# Altium PCB Goldstrike1_Rev01.PcbDoc (part 2 of 7)
Units mm, origin at the board's own origin, x right, y up, seen from the top; angles counter-clockwise.
Board outline 119.3 x 255 mm, 4 copper layers (L1, L2, L3, L4), stack 1.577 mm thick; 722 components, 224 nets, 4532 pads, 1329 vias.
Unrouted connection lines stored in the file: 147.
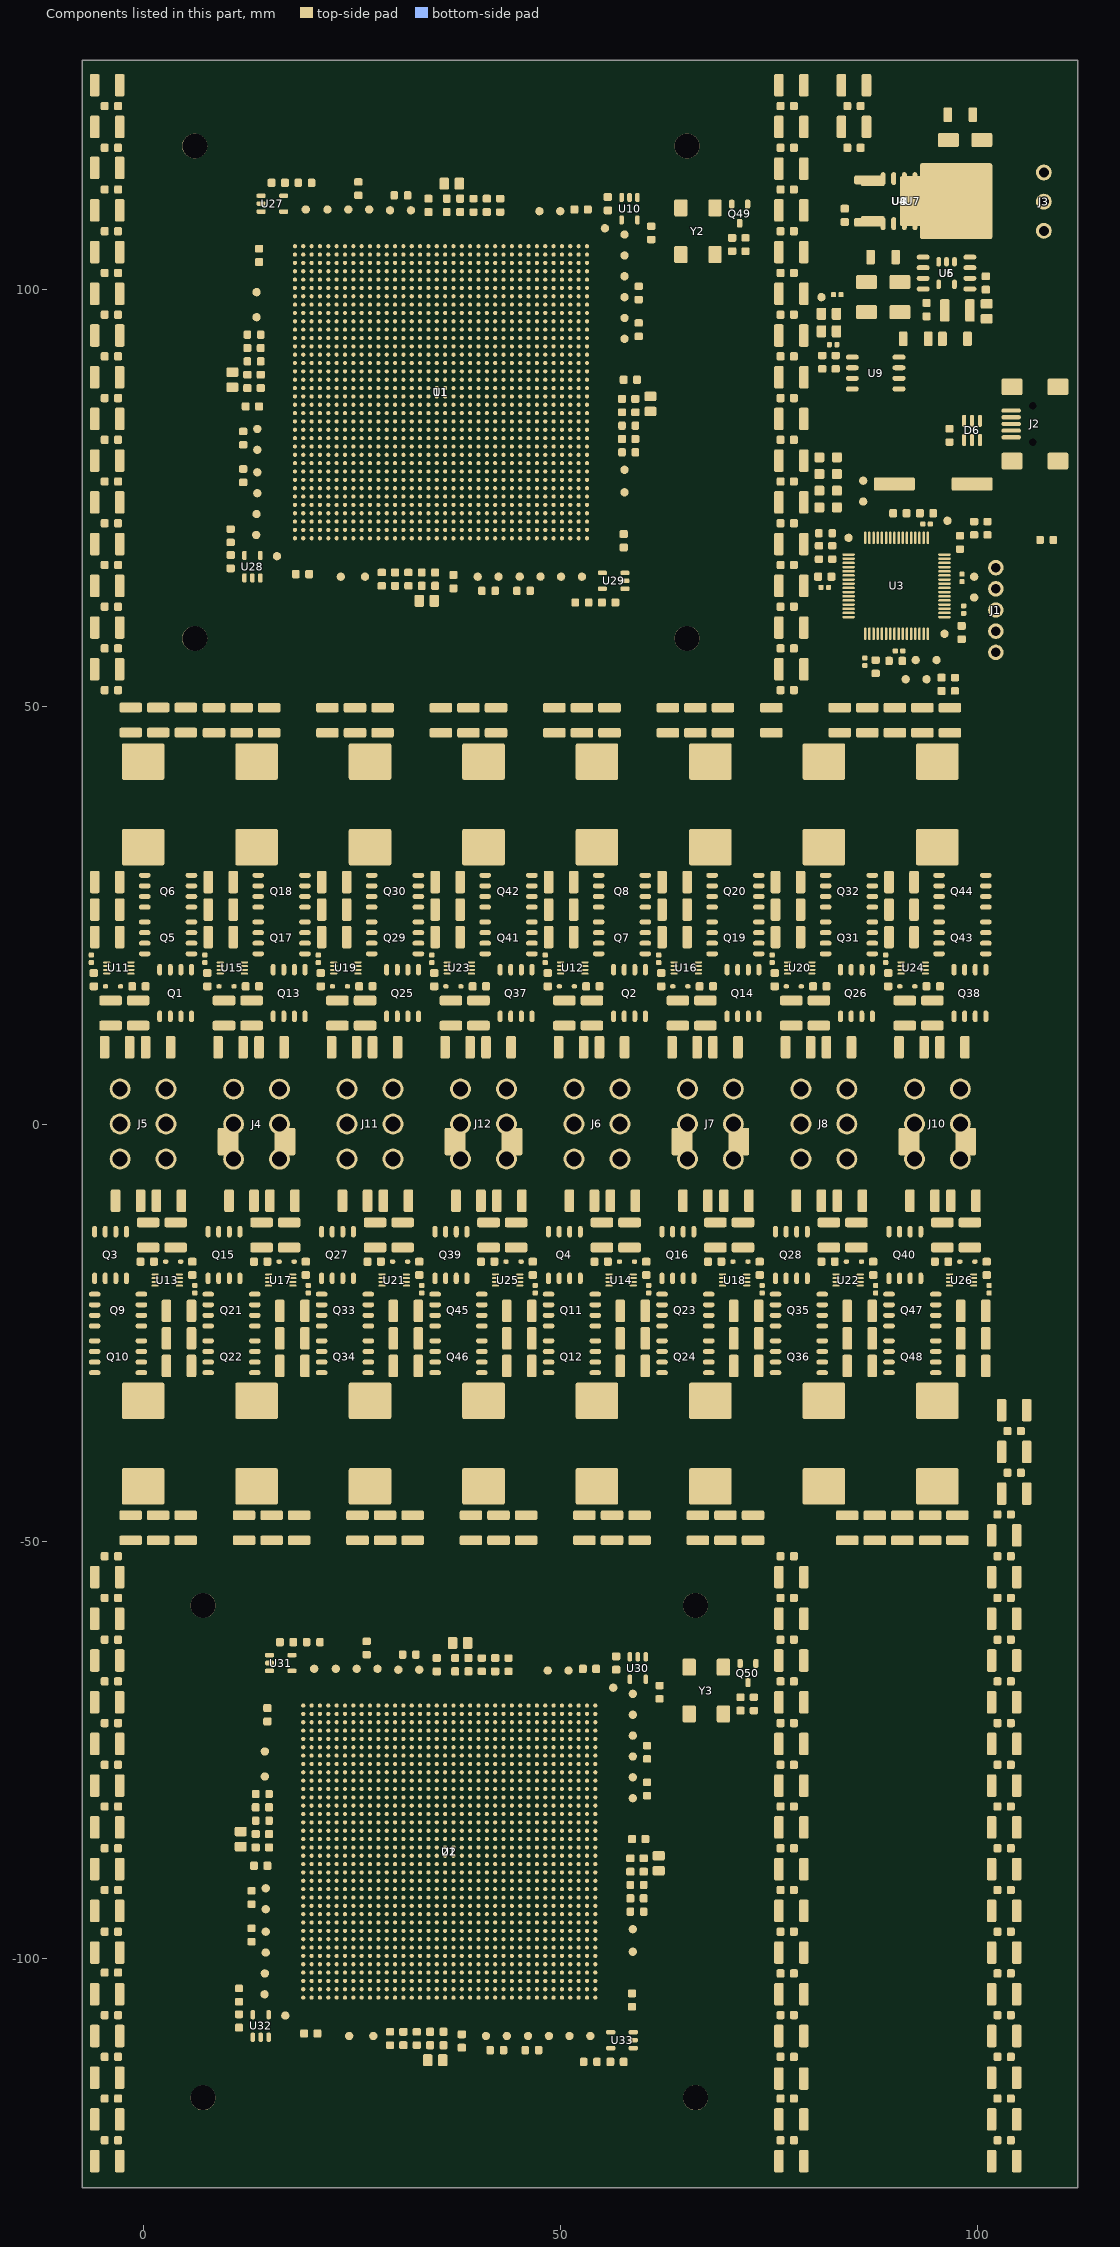
[diagram p4: the components of this part, seen from the top]

## Components (designator, comment, footprint, x,y, rotation, side; value= is the part's Value field where it differs from the comment) (continued)
C225 "SMD_0603_CAPC1608X95N" SMD_0603_CAPC1608X95N -3.8,112 r180 top
C226 "SMD_0603_CAPC1608X95N" SMD_0603_CAPC1608X95N 103.2,-116.8 r180 top
C227 "SMD_1210_CAPC3225X279N" SMD_1210_CAPC3225X279N 77.7,54.5 r0 top
C228 "SMD_1210_CAPC3225X279N" SMD_1210_CAPC3225X279N 77.7,64.5 r0 top
C229 "SMD_1210_CAPC3225X279N" SMD_1210_CAPC3225X279N 77.7,74.5 r0 top
C230 "SMD_1210_CAPC3225X279N" SMD_1210_CAPC3225X279N 77.7,119.5 r0 top
C231 "SMD_1210_CAPC3225X279N" SMD_1210_CAPC3225X279N 77.7,114.5 r0 top
C232 "SMD_1210_CAPC3225X279N" SMD_1210_CAPC3225X279N 77.7,109.5 r0 top
C233 "SMD_1210_CAPC3225X279N" SMD_1210_CAPC3225X279N 77.7,104.5 r0 top
C234 "SMD_1210_CAPC3225X279N" SMD_1210_CAPC3225X279N 77.7,99.5 r0 top
C235 "SMD_1210_CAPC3225X279N" SMD_1210_CAPC3225X279N 77.7,94.5 r0 top
C236 "SMD_1210_CAPC3225X279N" SMD_1210_CAPC3225X279N 1.808,48.415 r270 top
C237 "SMD_1210_CAPC3225X279N" SMD_1210_CAPC3225X279N 77.7,89.5 r0 top
C238 "SMD_1210_CAPC3225X279N" SMD_1210_CAPC3225X279N 77.7,84.5 r0 top
C239 "SMD_1210_CAPC3225X279N" SMD_1210_CAPC3225X279N 77.7,79.5 r0 top
C240 "SMD_1210_CAPC3225X279N" SMD_1210_CAPC3225X279N 77.7,59.5 r0 top
C241 "SMD_1210_CAPC3225X279N" SMD_1210_CAPC3225X279N 77.7,69.5 r0 top
C242 "SMD_1210_CAPC3225X279N" SMD_1210_CAPC3225X279N 103.2,-109.3 r180 top
C243 "SMD_1210_CAPC3225X279N" SMD_1210_CAPC3225X279N 85.2,119.5 r180 top
C244 "SMD_1210_CAPC3225X279N" SMD_1210_CAPC3225X279N -4.3,64.5 r180 top
C245 "SMD_1210_CAPC3225X279N" SMD_1210_CAPC3225X279N -4.3,74.5 r180 top
C246 "SMD_1210_CAPC3225X279N" SMD_1210_CAPC3225X279N 103.2,-124.3 r180 top
C247 "SMD_1210_CAPC3225X279N" SMD_1210_CAPC3225X279N -4.3,119.5 r180 top
C248 "SMD_1210_CAPC3225X279N" SMD_1210_CAPC3225X279N -4.302,114.597 r180 top
C249 "SMD_1210_CAPC3225X279N" SMD_1210_CAPC3225X279N -4.3,109.5 r180 top
C250 "SMD_1210_CAPC3225X279N" SMD_1210_CAPC3225X279N -4.3,104.5 r180 top
C251 "SMD_1210_CAPC3225X279N" SMD_1210_CAPC3225X279N -4.3,99.5 r180 top
C252 "SMD_1210_CAPC3225X279N" SMD_1210_CAPC3225X279N -4.3,94.5 r180 top
C253 "SMD_1210_CAPC3225X279N" SMD_1210_CAPC3225X279N -4.3,89.5 r180 top
C254 "SMD_1210_CAPC3225X279N" SMD_1210_CAPC3225X279N -4.3,84.5 r180 top
C255 "SMD_1210_CAPC3225X279N" SMD_1210_CAPC3225X279N -4.3,79.5 r180 top
C256 "SMD_1210_CAPC3225X279N" SMD_1210_CAPC3225X279N -4.3,59.5 r180 top
C257 "SMD_1210_CAPC3225X279N" SMD_1210_CAPC3225X279N -4.3,69.5 r180 top
C258 "SMD_1210_CAPC3225X279N" SMD_1210_CAPC3225X279N 103.2,-104.3 r180 top
C259 "SMD_1210_CAPC3225X279N" SMD_1210_CAPC3225X279N 104.4,-44.3 r180 top
C260 "SMD_1210_CAPC3225X279N" SMD_1210_CAPC3225X279N 104.4,-34.3 r180 top
C261 "SMD_1210_CAPC3225X279N" SMD_1210_CAPC3225X279N 104.4,-39.3 r180 top
C262 "SMD_1210_CAPC3225X279N" SMD_1210_CAPC3225X279N 85.2,124.5 r180 top
C263 "SMD_1210_CAPC3225X279N" SMD_1210_CAPC3225X279N -4.3,124.5 r180 top
C264 "SMD_1210_CAPC3225X279N" SMD_1210_CAPC3225X279N 103.2,-119.3 r180 top
C265 "SMD_1210_CAPC3225X279N" SMD_1210_CAPC3225X279N 77.7,124.5 r0 top
C266 "SMD_1210_CAPC3225X279N" SMD_1210_CAPC3225X279N 103.2,-114.3 r180 top
C267 "SMD_0603_CAPC1608X95N" SMD_0603_CAPC1608X95N -3.8,-101.7 r180 top
C268 "SMD_0603_CAPC1608X95N" SMD_0603_CAPC1608X95N -3.8,-96.8 r180 top
C269 "SMD_0603_CAPC1608X95N" SMD_0603_CAPC1608X95N -3.8,-81.8 r180 top
C270 "SMD_0603_CAPC1608X95N" SMD_0603_CAPC1608X95N -3.8,-116.8 r180 top
C271 "SMD_0603_CAPC1608X95N" SMD_0603_CAPC1608X95N 77.2,-101.8 r0 top
C272 "SMD_0603_CAPC1608X95N" SMD_0603_CAPC1608X95N 77.2,-96.8 r0 top
C273 "SMD_0603_CAPC1608X95N" SMD_0603_CAPC1608X95N -3.8,-51.8 r180 top
C274 "SMD_0603_CAPC1608X95N" SMD_0603_CAPC1608X95N -3.8,-56.8 r180 top
C275 "SMD_0603_CAPC1608X95N" SMD_0603_CAPC1608X95N -3.8,-61.8 r180 top
C276 "SMD_0603_CAPC1608X95N" SMD_0603_CAPC1608X95N 77.2,-81.8 r0 top
C277 "SMD_0603_CAPC1608X95N" SMD_0603_CAPC1608X95N -3.8,-66.8 r180 top
C278 "SMD_0603_CAPC1608X95N" SMD_0603_CAPC1608X95N -3.8,-71.8 r180 top
C279 "SMD_0603_CAPC1608X95N" SMD_0603_CAPC1608X95N -3.8,-76.8 r180 top
C280 "SMD_0603_CAPC1608X95N" SMD_0603_CAPC1608X95N -3.8,-86.8 r180 top
C281 "SMD_0603_CAPC1608X95N" SMD_0603_CAPC1608X95N -3.8,-91.8 r180 top
C282 "SMD_0603_CAPC1608X95N" SMD_0603_CAPC1608X95N -3.8,-106.8 r180 top
C283 "SMD_0603_CAPC1608X95N" SMD_0603_CAPC1608X95N -3.8,-111.8 r180 top
C284 "SMD_0603_CAPC1608X95N" SMD_0603_CAPC1608X95N 77.2,-121.8 r0 top
C285 "SMD_0603_CAPC1608X95N" SMD_0603_CAPC1608X95N 77.2,-116.8 r0 top
C286 "SMD_0603_CAPC1608X95N" SMD_0603_CAPC1608X95N 77.2,-51.8 r0 top
C287 "SMD_0603_CAPC1608X95N" SMD_0603_CAPC1608X95N 77.2,-56.8 r0 top
C288 "SMD_0603_CAPC1608X95N" SMD_0603_CAPC1608X95N 77.2,-61.8 r0 top
C289 "SMD_0603_CAPC1608X95N" SMD_0603_CAPC1608X95N 77.2,-66.8 r0 top
C290 "SMD_0603_CAPC1608X95N" SMD_0603_CAPC1608X95N 77.2,-71.8 r0 top
C291 "SMD_0603_CAPC1608X95N" SMD_0603_CAPC1608X95N 77.2,-76.8 r0 top
C292 "SMD_0603_CAPC1608X95N" SMD_0603_CAPC1608X95N 77.2,-86.8 r0 top
C293 "SMD_0603_CAPC1608X95N" SMD_0603_CAPC1608X95N 77.2,-91.8 r0 top
C294 "SMD_0603_CAPC1608X95N" SMD_0603_CAPC1608X95N -3.8,-121.8 r180 top
C295 "SMD_0603_CAPC1608X95N" SMD_0603_CAPC1608X95N 77.2,-106.8 r0 top
C296 "SMD_0603_CAPC1608X95N" SMD_0603_CAPC1608X95N 77.2,-111.8 r0 top
C297 "SMD_0603_CAPC1608X95N" SMD_0603_CAPC1608X95N 103.2,-101.8 r180 top
C298 "SMD_0603_CAPC1608X95N" SMD_0603_CAPC1608X95N 103.2,-91.8 r180 top
C299 "SMD_0603_CAPC1608X95N" SMD_0603_CAPC1608X95N 103.2,-66.8 r180 top
C300 "SMD_0603_CAPC1608X95N" SMD_0603_CAPC1608X95N 103.2,-86.8 r180 top
C301 "SMD_0603_CAPC1608X95N" SMD_0603_CAPC1608X95N 103.2,-56.8 r180 top
C302 "SMD_0603_CAPC1608X95N" SMD_0603_CAPC1608X95N 103.2,-81.8 r180 top
C303 "SMD_0603_CAPC1608X95N" SMD_0603_CAPC1608X95N 103.2,-71.8 r180 top
C304 "SMD_0603_CAPC1608X95N" SMD_0603_CAPC1608X95N 103.2,-76.8 r180 top
C305 "SMD_0603_CAPC1608X95N" SMD_0603_CAPC1608X95N 103.2,-61.8 r180 top
C306 "SMD_0603_CAPC1608X95N" SMD_0603_CAPC1608X95N 103.2,-96.8 r180 top
C307 "SMD_1210_CAPC3225X279N" SMD_1210_CAPC3225X279N 77.7,-54.3 r0 top
C308 "SMD_1210_CAPC3225X279N" SMD_1210_CAPC3225X279N -4.3,-54.3 r180 top
C309 "SMD_1210_CAPC3225X279N" SMD_1210_CAPC3225X279N -4.3,-64.3 r180 top
C310 "SMD_1210_CAPC3225X279N" SMD_1210_CAPC3225X279N -4.3,-74.3 r180 top
C311 "SMD_1210_CAPC3225X279N" SMD_1210_CAPC3225X279N -4.3,-119.3 r180 top
C312 "SMD_1210_CAPC3225X279N" SMD_1210_CAPC3225X279N -4.3,-114.3 r180 top
C313 "SMD_1210_CAPC3225X279N" SMD_1210_CAPC3225X279N -4.3,-109.3 r180 top
C314 "SMD_1210_CAPC3225X279N" SMD_1210_CAPC3225X279N -4.3,-104.3 r180 top
C315 "SMD_1210_CAPC3225X279N" SMD_1210_CAPC3225X279N -4.3,-99.3 r180 top
C316 "SMD_1210_CAPC3225X279N" SMD_1210_CAPC3225X279N -4.3,-94.3 r180 top
C317 "SMD_1210_CAPC3225X279N" SMD_1210_CAPC3225X279N -4.3,-89.3 r180 top
C318 "SMD_1210_CAPC3225X279N" SMD_1210_CAPC3225X279N -4.3,-84.3 r180 top
C319 "SMD_1210_CAPC3225X279N" SMD_1210_CAPC3225X279N -4.3,-79.3 r180 top
C320 "SMD_1210_CAPC3225X279N" SMD_1210_CAPC3225X279N -4.3,-59.3 r180 top
C321 "SMD_1210_CAPC3225X279N" SMD_1210_CAPC3225X279N -4.3,-69.3 r180 top
C322 "SMD_1210_CAPC3225X279N" SMD_1210_CAPC3225X279N 77.7,-64.3 r0 top
C323 "SMD_1210_CAPC3225X279N" SMD_1210_CAPC3225X279N 77.7,-74.3 r0 top
C324 "SMD_1210_CAPC3225X279N" SMD_1210_CAPC3225X279N 77.7,-119.3 r0 top
C325 "SMD_1210_CAPC3225X279N" SMD_1210_CAPC3225X279N 77.702,-114.397 r0 top
C326 "SMD_1210_CAPC3225X279N" SMD_1210_CAPC3225X279N 77.7,-109.3 r0 top
C327 "SMD_1210_CAPC3225X279N" SMD_1210_CAPC3225X279N 77.7,-104.3 r0 top
C328 "SMD_1210_CAPC3225X279N" SMD_1210_CAPC3225X279N 77.7,-99.3 r0 top
C329 "SMD_1210_CAPC3225X279N" SMD_1210_CAPC3225X279N 77.7,-94.3 r0 top
C330 "SMD_1210_CAPC3225X279N" SMD_1210_CAPC3225X279N 77.7,-89.3 r0 top
C331 "SMD_1210_CAPC3225X279N" SMD_1210_CAPC3225X279N 77.7,-84.3 r0 top
C332 "SMD_1210_CAPC3225X279N" SMD_1210_CAPC3225X279N 77.7,-79.3 r0 top
C333 "SMD_1210_CAPC3225X279N" SMD_1210_CAPC3225X279N 77.7,-59.3 r0 top
C334 "SMD_1210_CAPC3225X279N" SMD_1210_CAPC3225X279N 77.7,-69.3 r0 top
C335 "SMD_1210_CAPC3225X279N" SMD_1210_CAPC3225X279N 77.7,-124.3 r0 top
C336 "SMD_1210_CAPC3225X279N" SMD_1210_CAPC3225X279N -4.3,-124.3 r180 top
C337 "SMD_1210_CAPC3225X279N" SMD_1210_CAPC3225X279N 103.2,-94.3 r180 top
C338 "SMD_1210_CAPC3225X279N" SMD_1210_CAPC3225X279N 103.2,-89.3 r180 top
C339 "SMD_1210_CAPC3225X279N" SMD_1210_CAPC3225X279N 103.2,-64.3 r180 top
C340 "SMD_1210_CAPC3225X279N" SMD_1210_CAPC3225X279N 103.2,-59.3 r180 top
C341 "SMD_1210_CAPC3225X279N" SMD_1210_CAPC3225X279N 103.2,-74.3 r180 top
C342 "SMD_1210_CAPC3225X279N" SMD_1210_CAPC3225X279N 103.2,-69.3 r180 top
C343 "SMD_1210_CAPC3225X279N" SMD_1210_CAPC3225X279N 103.2,-79.3 r180 top
C344 "SMD_1210_CAPC3225X279N" SMD_1210_CAPC3225X279N 103.2,-84.3 r180 top
C345 "SMD_1210_CAPC3225X279N" SMD_1210_CAPC3225X279N 103.2,-54.3 r180 top
C346 "SMD_1210_CAPC3225X279N" SMD_1210_CAPC3225X279N 103.2,-99.3 r180 top
C347 "SMD_0603_CAPC1608X95N" SMD_0603_CAPC1608X95N 101,100.8 r90 top
C348 "SMD_1210_CAPC3225X270N" SMD_1210_CAPC3225X270N 51.3,9.2 r180 top
C349 "SMD_1210_CAPC3225X270N" SMD_1210_CAPC3225X270N 53.8,13.3 r90 top
C350 "SMD_1210_CAPC3225X279N" SMD_1210_CAPC3225X279N 50.1,25.7 r180 top
C351 "SMD_1210_CAPC3225X279N" SMD_1210_CAPC3225X279N 50.1,29 r180 top
C352 "SMD_1210_CAPC3225X279N" SMD_1210_CAPC3225X279N 50.1,22.4 r180 top
C353 "SMD_1210_CAPC3225X270N" SMD_1210_CAPC3225X270N 57.5,-9.2 r0 top
C354 "SMD_1210_CAPC3225X270N" SMD_1210_CAPC3225X270N 55,-13.3 r270 top
C355 "SMD_1210_CAPC3225X279N" SMD_1210_CAPC3225X279N 58.7,-25.7 r0 top
C356 "SMD_1210_CAPC3225X279N" SMD_1210_CAPC3225X279N 58.7,-29 r0 top
C357 "SMD_1210_CAPC3225X279N" SMD_1210_CAPC3225X279N 58.7,-22.4 r0 top
C358 "SMD_1210_CAPC3225X270N" SMD_1210_CAPC3225X270N 71.1,-9.2 r0 top
C359 "SMD_1210_CAPC3225X270N" SMD_1210_CAPC3225X270N 68.6,-13.3 r270 top
C360 "SMD_1210_CAPC3225X279N" SMD_1210_CAPC3225X279N 72.3,-25.7 r0 top
C361 "SMD_1210_CAPC3225X279N" SMD_1210_CAPC3225X279N 72.3,-29 r0 top
C362 "SMD_1210_CAPC3225X279N" SMD_1210_CAPC3225X279N 72.3,-22.4 r0 top
C363 "SMD_1210_CAPC3225X270N" SMD_1210_CAPC3225X270N 84.7,-9.2 r0 top
C364 "SMD_1210_CAPC3225X270N" SMD_1210_CAPC3225X270N 82.2,-13.3 r270 top
C365 "SMD_1210_CAPC3225X279N" SMD_1210_CAPC3225X279N 85.9,-25.7 r0 top
C366 "SMD_1210_CAPC3225X279N" SMD_1210_CAPC3225X279N 85.9,-29 r0 top
C367 "SMD_1210_CAPC3225X279N" SMD_1210_CAPC3225X279N 85.9,-22.4 r0 top
C368 "SMD_1210_CAPC3225X270N" SMD_1210_CAPC3225X270N 98.3,-9.2 r0 top
C369 "SMD_1210_CAPC3225X270N" SMD_1210_CAPC3225X270N 95.8,-13.3 r270 top
C370 "SMD_1210_CAPC3225X279N" SMD_1210_CAPC3225X279N 99.5,-25.7 r0 top
C371 "SMD_1210_CAPC3225X279N" SMD_1210_CAPC3225X279N 99.5,-29 r0 top
C372 "SMD_1210_CAPC3225X279N" SMD_1210_CAPC3225X279N 99.5,-22.4 r0 top
C373 "SMD_1210_CAPC3225X270N" SMD_1210_CAPC3225X270N 3.1,-9.2 r0 top
C374 "SMD_1210_CAPC3225X270N" SMD_1210_CAPC3225X270N 0.6,-13.3 r270 top
C375 "SMD_1210_CAPC3225X279N" SMD_1210_CAPC3225X279N 4.3,-25.7 r0 top
C376 "SMD_1210_CAPC3225X279N" SMD_1210_CAPC3225X279N 4.3,-29 r0 top
C377 "SMD_1210_CAPC3225X279N" SMD_1210_CAPC3225X279N 4.3,-22.4 r0 top
C378 "SMD_1210_CAPC3225X270N" SMD_1210_CAPC3225X270N 16.7,-9.2 r0 top
C379 "SMD_1210_CAPC3225X270N" SMD_1210_CAPC3225X270N 14.2,-13.3 r270 top
C380 "SMD_1210_CAPC3225X279N" SMD_1210_CAPC3225X279N 17.9,-25.7 r0 top
C381 "SMD_1210_CAPC3225X279N" SMD_1210_CAPC3225X279N 17.9,-29 r0 top
C382 "SMD_1210_CAPC3225X279N" SMD_1210_CAPC3225X279N 17.9,-22.4 r0 top
C383 "SMD_1210_CAPC3225X270N" SMD_1210_CAPC3225X270N 30.3,-9.2 r0 top
C384 "SMD_1210_CAPC3225X270N" SMD_1210_CAPC3225X270N 27.8,-13.3 r270 top
C385 "SMD_1210_CAPC3225X279N" SMD_1210_CAPC3225X279N 31.5,-25.7 r0 top
C386 "SMD_1210_CAPC3225X279N" SMD_1210_CAPC3225X279N 31.5,-29 r0 top
C387 "SMD_1210_CAPC3225X279N" SMD_1210_CAPC3225X279N 31.5,-22.4 r0 top
C388 "SMD_1210_CAPC3225X279N" SMD_1210_CAPC3225X279N 45.1,-25.7 r0 top
C389 "SMD_1210_CAPC3225X279N" SMD_1210_CAPC3225X279N 45.1,-29 r0 top
C390 "SMD_1210_CAPC3225X279N" SMD_1210_CAPC3225X279N 45.1,-22.4 r0 top
C391 "SMD_1210_CAPC3225X270N" SMD_1210_CAPC3225X270N 43.9,-9.2 r0 top
C392 "SMD_1210_CAPC3225X270N" SMD_1210_CAPC3225X270N 41.4,-13.3 r270 top
C393 "SMD_1210_CAPC3225X279N" SMD_1210_CAPC3225X279N 63.7,25.7 r180 top
C394 "SMD_1210_CAPC3225X279N" SMD_1210_CAPC3225X279N 63.7,29 r180 top
C395 "SMD_1210_CAPC3225X279N" SMD_1210_CAPC3225X279N 63.7,22.4 r180 top
C396 "SMD_1210_CAPC3225X279N" SMD_1210_CAPC3225X279N 77.3,25.7 r180 top
C397 "SMD_1210_CAPC3225X279N" SMD_1210_CAPC3225X279N 77.3,29 r180 top
C398 "SMD_1210_CAPC3225X279N" SMD_1210_CAPC3225X279N 77.3,22.4 r180 top
C399 "SMD_1210_CAPC3225X279N" SMD_1210_CAPC3225X279N 90.9,25.7 r180 top
C400 "SMD_1210_CAPC3225X279N" SMD_1210_CAPC3225X279N 90.9,29 r180 top
C401 "SMD_1210_CAPC3225X279N" SMD_1210_CAPC3225X279N 90.9,22.4 r180 top
C402 "SMD_1210_CAPC3225X270N" SMD_1210_CAPC3225X270N 64.9,9.2 r180 top
C403 "SMD_1210_CAPC3225X270N" SMD_1210_CAPC3225X270N 67.4,13.3 r90 top
C404 "SMD_1210_CAPC3225X270N" SMD_1210_CAPC3225X270N 78.5,9.2 r180 top
C405 "SMD_1210_CAPC3225X270N" SMD_1210_CAPC3225X270N 81,13.3 r90 top
C406 "SMD_1210_CAPC3225X270N" SMD_1210_CAPC3225X270N 92.1,9.2 r180 top
C407 "SMD_1210_CAPC3225X270N" SMD_1210_CAPC3225X270N 94.6,13.3 r90 top
C408 "SMD_1210_CAPC3225X279N" SMD_1210_CAPC3225X279N -4.3,25.7 r180 top
C409 "SMD_1210_CAPC3225X279N" SMD_1210_CAPC3225X279N -4.3,29 r180 top
C410 "SMD_1210_CAPC3225X279N" SMD_1210_CAPC3225X279N -4.3,22.4 r180 top
C411 "SMD_1210_CAPC3225X279N" SMD_1210_CAPC3225X279N 9.3,25.7 r180 top
C412 "SMD_1210_CAPC3225X279N" SMD_1210_CAPC3225X279N 9.3,29 r180 top
C413 "SMD_1210_CAPC3225X279N" SMD_1210_CAPC3225X279N 9.3,22.4 r180 top
C414 "SMD_1210_CAPC3225X279N" SMD_1210_CAPC3225X279N 22.9,25.7 r180 top
C415 "SMD_1210_CAPC3225X279N" SMD_1210_CAPC3225X279N 22.9,29 r180 top
C416 "SMD_1210_CAPC3225X279N" SMD_1210_CAPC3225X279N 22.9,22.4 r180 top
C417 "SMD_1210_CAPC3225X279N" SMD_1210_CAPC3225X279N 36.5,25.7 r180 top
C418 "SMD_1210_CAPC3225X279N" SMD_1210_CAPC3225X279N 36.5,29 r180 top
C419 "SMD_1210_CAPC3225X279N" SMD_1210_CAPC3225X279N 36.5,22.4 r180 top
C420 "SMD_1210_CAPC3225X270N" SMD_1210_CAPC3225X270N -3.1,9.2 r180 top
C421 "SMD_1210_CAPC3225X270N" SMD_1210_CAPC3225X270N -0.6,13.3 r90 top
C422 "SMD_1210_CAPC3225X270N" SMD_1210_CAPC3225X270N 10.5,9.2 r180 top
C423 "SMD_1210_CAPC3225X270N" SMD_1210_CAPC3225X270N 13,13.3 r90 top
C424 "SMD_1210_CAPC3225X270N" SMD_1210_CAPC3225X270N 24.1,9.2 r180 top
C425 "SMD_1210_CAPC3225X270N" SMD_1210_CAPC3225X270N 26.6,13.3 r90 top
C426 "SMD_1210_CAPC3225X270N" SMD_1210_CAPC3225X270N 37.7,9.2 r180 top
C427 "SMD_1210_CAPC3225X270N" SMD_1210_CAPC3225X270N 40.2,13.3 r90 top
C428 "SMD_0603_CAPC1608X95N" SMD_0603_CAPC1608X95N 70.6,105.4 r270 top
C429 "SMD_0603_CAPC1608X95N" SMD_0603_CAPC1608X95N 71.6,-69.5 r270 top
C430 "SMD_0603_CAPC1608X95N" SMD_0603_CAPC1608X95N 55.7,110.3 r270 top
C431 "SMD_0603_CAPC1608X95N" SMD_0603_CAPC1608X95N 16.2,112.8 r0 top
C432 "SMD_0603_CAPC1608X95N" SMD_0603_CAPC1608X95N 10.5,67.4 r90 top
C433 "SMD_0603_CAPC1608X95N" SMD_0603_CAPC1608X95N 55.8,62.5 r180 top
C434 "SMD_0603_CAPC1608X95N" SMD_0603_CAPC1608X95N 56.7,-64.6 r270 top
C435 "SMD_0603_CAPC1608X95N" SMD_0603_CAPC1608X95N 17.2,-62.1 r0 top
C436 "SMD_0603_CAPC1608X95N" SMD_0603_CAPC1608X95N 11.5,-107.5 r90 top
C437 "SMD_0603_CAPC1608X95N" SMD_0603_CAPC1608X95N 56.8,-112.4 r180 top
D1 "SMD_0805_LED2012X100N" SMD_0805_LED2012X100N 82.1,73.9 r0 top
D2 "SMD_0805_LED2012X100N" SMD_0805_LED2012X100N 82.1,75.9 r0 top
D3 "SMD_0805_LED2012X100N" SMD_0805_LED2012X100N 82.1,79.9 r0 top
D4 "SMD_0805_LED2012X100N" SMD_0805_LED2012X100N 82.1,77.9 r0 top
D5 "SMD_DO214AC_SMA" SMD_DO214AC_SMA 88.7,97.3 r180 top
D6 "SMD_SOT457_SOT95P275X110-6N" SMD_SOT457_SOT95P275X110-6N 99.35,83.126 r270 top
D7 "SMD_DO214AC_SMA" SMD_DO214AC_SMA 88.7,100.9 r0 top
D8 "SMD_DO214AC_SMA" SMD_DO214AC_SMA 98.524,117.93 r0 top
D9 "SMD_DO214AC_SMC" SMD_DO214AC_SMC 68,-2.1 r0 top
D10 "SMD_SOD523_SOD1608X65N" SMD_SOD523_SOD1608X65N -3.6,16.5 r180 top
D11 "SMD_SOD523_SOD1608X65N" SMD_SOD523_SOD1608X65N 50.8,16.5 r180 top
D12 "SMD_SOD523_SOD1608X65N" SMD_SOD523_SOD1608X65N 3.6,-16.5 r0 top
D13 "SMD_SOD523_SOD1608X65N" SMD_SOD523_SOD1608X65N 58,-16.5 r0 top
D14 "SMD_SOD523_SOD1608X65N" SMD_SOD523_SOD1608X65N 10,16.5 r180 top
D15 "SMD_SOD523_SOD1608X65N" SMD_SOD523_SOD1608X65N 64.4,16.5 r180 top
D16 "SMD_SOD523_SOD1608X65N" SMD_SOD523_SOD1608X65N 17.2,-16.5 r0 top
D17 "SMD_SOD523_SOD1608X65N" SMD_SOD523_SOD1608X65N 71.6,-16.5 r0 top
D18 "SMD_SOD523_SOD1608X65N" SMD_SOD523_SOD1608X65N 23.6,16.5 r180 top
D19 "SMD_SOD523_SOD1608X65N" SMD_SOD523_SOD1608X65N 78,16.5 r180 top
D20 "SMD_SOD523_SOD1608X65N" SMD_SOD523_SOD1608X65N 30.8,-16.5 r0 top
D21 "SMD_SOD523_SOD1608X65N" SMD_SOD523_SOD1608X65N 85.2,-16.5 r0 top
D22 "SMD_SOD523_SOD1608X65N" SMD_SOD523_SOD1608X65N 37.2,16.5 r180 top
D23 "SMD_SOD523_SOD1608X65N" SMD_SOD523_SOD1608X65N 91.6,16.5 r180 top
D24 "SMD_SOD523_SOD1608X65N" SMD_SOD523_SOD1608X65N 44.4,-16.5 r0 top
D25 "SMD_SOD523_SOD1608X65N" SMD_SOD523_SOD1608X65N 98.8,-16.5 r0 top
D26 "SMD_DO214AC_SMC" SMD_DO214AC_SMC 40.8,-2.1 r0 top
D27 "SMD_DO214AC_SMC" SMD_DO214AC_SMC 95.2,-2.1 r0 top
D28 "SMD_DO214AC_SMC" SMD_DO214AC_SMC 13.6,-2.1 r0 top
FB1 "SMD_0805_INDC2012X105N" SMD_0805_INDC2012X105N 60.8,86.3 r90 top
FB2 "SMD_0805_INDC2012X105N" SMD_0805_INDC2012X105N 10.7,89.2 r270 top
FB3 "SMD_0805_INDC2012X105N" SMD_0805_INDC2012X105N 37,112.7 r180 top
FB4 "SMD_0805_INDC2012X105N" SMD_0805_INDC2012X105N 34,62.7 r0 top
FB5 "SMD_0805_INDC2012X105N" SMD_0805_INDC2012X105N 82.2,97.1 r180 top
FB6 "SMD_0805_INDC2012X105N" SMD_0805_INDC2012X105N 61.8,-88.6 r90 top
FB7 "SMD_0805_INDC2012X105N" SMD_0805_INDC2012X105N 11.7,-85.7 r270 top
FB8 "SMD_0805_INDC2012X105N" SMD_0805_INDC2012X105N 38,-62.2 r180 top
FB9 "SMD_0805_INDC2012X105N" SMD_0805_INDC2012X105N 35,-112.2 r0 top
J1 "PTH_HDRV05W64P254_1X05" PTH_HDRV05W64P254_1X05 102.2,61.6 r270 top
J2 "SMD_CON-CVILUX-CU04-SCM15B0" SMD_CON-CVILUX-CU04-SCM15B0 106.645,83.901 r90 top
J3 "PTH_CON_HD-351-3P" PTH_CON_HD-351-3P 107.96,110.544 r90 top
J4 "PTH_CON_WR-MRC4-6P_S" PTH_CON_WR-MRC4-6P_S 13.6,-0.019 r90 top
J5 "PTH_CON_WR-MRC4-6P_S" PTH_CON_WR-MRC4-6P_S 0,0 r90 top
J6 "PTH_CON_WR-MRC4-6P_S" PTH_CON_WR-MRC4-6P_S 54.4,0 r90 top
J7 "PTH_CON_WR-MRC4-6P_S" PTH_CON_WR-MRC4-6P_S 68,0 r90 top
J8 "PTH_CON_WR-MRC4-6P_S" PTH_CON_WR-MRC4-6P_S 81.6,0 r90 top
J10 "PTH_CON_WR-MRC4-6P_S" PTH_CON_WR-MRC4-6P_S 95.2,0 r90 top
J11 "PTH_CON_WR-MRC4-6P_S" PTH_CON_WR-MRC4-6P_S 27.2,0 r90 top
J12 "PTH_CON_WR-MRC4-6P_S" PTH_CON_WR-MRC4-6P_S 40.8,0 r90 top
L1 "SMT_INDM135130X800N" SMT_INDM135130X800N 0,38.3 r90 top
L2 "SMT_INDM135130X800N" SMT_INDM135130X800N 54.4,38.3 r90 top
L3 "SMT_INDM135130X800N" SMT_INDM135130X800N 0,-38.3 r270 top
L4 "SMT_INDM135130X800N" SMT_INDM135130X800N 54.4,-38.3 r270 top
L5 "SMT_INDM135130X800N" SMT_INDM135130X800N 13.6,38.3 r90 top
L6 "SMT_INDM135130X800N" SMT_INDM135130X800N 68,38.3 r90 top
L7 "SMT_INDM135130X800N" SMT_INDM135130X800N 13.6,-38.3 r270 top
L8 "SMT_INDM135130X800N" SMT_INDM135130X800N 68,-38.3 r270 top
L9 "SMT_INDM135130X800N" SMT_INDM135130X800N 27.2,38.3 r90 top
L10 "SMT_INDM135130X800N" SMT_INDM135130X800N 81.6,38.3 r90 top
L11 "SMT_INDM135130X800N" SMT_INDM135130X800N 27.2,-38.3 r270 top
L12 "SMT_INDM135130X800N" SMT_INDM135130X800N 81.6,-38.3 r270 top
L13 "SMT_INDM135130X800N" SMT_INDM135130X800N 40.8,38.3 r90 top
L14 "SMT_INDM135130X800N" SMT_INDM135130X800N 95.2,38.3 r90 top
L15 "SMT_INDM135130X800N" SMT_INDM135130X800N 40.8,-38.3 r270 top
L16 "SMT_INDM135130X800N" SMT_INDM135130X800N 95.2,-38.3 r270 top
Q1 "SMD_SOIC127P600X110-9AN" SMD_SOIC127P600X110-9AN 3.9,15.7 r270 top
Q2 "SMD_SOIC127P600X110-9AN" SMD_SOIC127P600X110-9AN 58.3,15.7 r270 top
Q3 "SMD_SOIC127P600X110-9AN" SMD_SOIC127P600X110-9AN -3.9,-15.7 r90 top
Q4 "SMD_SOIC127P600X110-9AN" SMD_SOIC127P600X110-9AN 50.5,-15.7 r90 top
Q5 "SMD_SOIC127P600X110-9AN" SMD_SOIC127P600X110-9AN 3,22.3 r0 top
Q6 "SMD_SOIC127P600X110-9AN" SMD_SOIC127P600X110-9AN 3,27.9 r0 top
Q7 "SMD_SOIC127P600X110-9AN" SMD_SOIC127P600X110-9AN 57.4,22.3 r0 top
Q8 "SMD_SOIC127P600X110-9AN" SMD_SOIC127P600X110-9AN 57.4,27.9 r0 top
Q9 "SMD_SOIC127P600X110-9AN" SMD_SOIC127P600X110-9AN -3,-22.3 r180 top
Q10 "SMD_SOIC127P600X110-9AN" SMD_SOIC127P600X110-9AN -3,-27.9 r180 top
Q11 "SMD_SOIC127P600X110-9AN" SMD_SOIC127P600X110-9AN 51.4,-22.3 r180 top
Q12 "SMD_SOIC127P600X110-9AN" SMD_SOIC127P600X110-9AN 51.4,-27.9 r180 top
Q13 "SMD_SOIC127P600X110-9AN" SMD_SOIC127P600X110-9AN 17.5,15.7 r270 top
Q14 "SMD_SOIC127P600X110-9AN" SMD_SOIC127P600X110-9AN 71.9,15.7 r270 top
Q15 "SMD_SOIC127P600X110-9AN" SMD_SOIC127P600X110-9AN 9.7,-15.7 r90 top
Q16 "SMD_SOIC127P600X110-9AN" SMD_SOIC127P600X110-9AN 64.1,-15.7 r90 top
Q17 "SMD_SOIC127P600X110-9AN" SMD_SOIC127P600X110-9AN 16.6,22.3 r0 top
Q18 "SMD_SOIC127P600X110-9AN" SMD_SOIC127P600X110-9AN 16.6,27.9 r0 top
Q19 "SMD_SOIC127P600X110-9AN" SMD_SOIC127P600X110-9AN 71,22.3 r0 top
Q20 "SMD_SOIC127P600X110-9AN" SMD_SOIC127P600X110-9AN 71,27.9 r0 top
Q21 "SMD_SOIC127P600X110-9AN" SMD_SOIC127P600X110-9AN 10.6,-22.3 r180 top
Q22 "SMD_SOIC127P600X110-9AN" SMD_SOIC127P600X110-9AN 10.6,-27.9 r180 top
Q23 "SMD_SOIC127P600X110-9AN" SMD_SOIC127P600X110-9AN 65,-22.3 r180 top
Q24 "SMD_SOIC127P600X110-9AN" SMD_SOIC127P600X110-9AN 65,-27.9 r180 top
Q25 "SMD_SOIC127P600X110-9AN" SMD_SOIC127P600X110-9AN 31.1,15.7 r270 top
Q26 "SMD_SOIC127P600X110-9AN" SMD_SOIC127P600X110-9AN 85.5,15.7 r270 top
Q27 "SMD_SOIC127P600X110-9AN" SMD_SOIC127P600X110-9AN 23.3,-15.7 r90 top
Q28 "SMD_SOIC127P600X110-9AN" SMD_SOIC127P600X110-9AN 77.7,-15.7 r90 top
Q29 "SMD_SOIC127P600X110-9AN" SMD_SOIC127P600X110-9AN 30.2,22.3 r0 top
Q30 "SMD_SOIC127P600X110-9AN" SMD_SOIC127P600X110-9AN 30.2,27.9 r0 top
Q31 "SMD_SOIC127P600X110-9AN" SMD_SOIC127P600X110-9AN 84.6,22.3 r0 top
Q32 "SMD_SOIC127P600X110-9AN" SMD_SOIC127P600X110-9AN 84.6,27.9 r0 top
Q33 "SMD_SOIC127P600X110-9AN" SMD_SOIC127P600X110-9AN 24.2,-22.3 r180 top
Q34 "SMD_SOIC127P600X110-9AN" SMD_SOIC127P600X110-9AN 24.2,-27.9 r180 top
Q35 "SMD_SOIC127P600X110-9AN" SMD_SOIC127P600X110-9AN 78.6,-22.3 r180 top
Q36 "SMD_SOIC127P600X110-9AN" SMD_SOIC127P600X110-9AN 78.6,-27.9 r180 top
Q37 "SMD_SOIC127P600X110-9AN" SMD_SOIC127P600X110-9AN 44.7,15.7 r270 top
Q38 "SMD_SOIC127P600X110-9AN" SMD_SOIC127P600X110-9AN 99.1,15.7 r270 top
Q39 "SMD_SOIC127P600X110-9AN" SMD_SOIC127P600X110-9AN 36.9,-15.7 r90 top
Q40 "SMD_SOIC127P600X110-9AN" SMD_SOIC127P600X110-9AN 91.3,-15.7 r90 top
Q41 "SMD_SOIC127P600X110-9AN" SMD_SOIC127P600X110-9AN 43.8,22.3 r0 top
Q42 "SMD_SOIC127P600X110-9AN" SMD_SOIC127P600X110-9AN 43.8,27.9 r0 top
Q43 "SMD_SOIC127P600X110-9AN" SMD_SOIC127P600X110-9AN 98.2,22.3 r0 top
Q44 "SMD_SOIC127P600X110-9AN" SMD_SOIC127P600X110-9AN 98.2,27.9 r0 top
Q45 "SMD_SOIC127P600X110-9AN" SMD_SOIC127P600X110-9AN 37.8,-22.3 r180 top
Q46 "SMD_SOIC127P600X110-9AN" SMD_SOIC127P600X110-9AN 37.8,-27.9 r180 top
Q47 "SMD_SOIC127P600X110-9AN" SMD_SOIC127P600X110-9AN 92.2,-22.3 r180 top
Q48 "SMD_SOIC127P600X110-9AN" SMD_SOIC127P600X110-9AN 92.2,-27.9 r180 top
Q49 "SMD_SOT23_SOT95P240X112-3N" SMD_SOT23_SOT95P240X112-3N 71.5,109.1 r270 top
Q50 "SMD_SOT23_SOT95P240X112-3N" SMD_SOT23_SOT95P240X112-3N 72.5,-65.8 r270 top
R1 "SMD_0603_RESC1608X55N" SMD_0603_RESC1608X55N 43.8,-64.8 r90 top
R2 "SMD_0603_RESC1608X55N" SMD_0603_RESC1608X55N 60.4,-75.3 r270 top
R3 "SMD_0603_RESC1608X55N" SMD_0603_RESC1608X55N 59.4,99.6 r270 top
R4 "SMD_0603_RESC1608X55N" SMD_0603_RESC1608X55N 101.2,71.4 r270 top
R5 "SMD_0603_RESC1608X55N" SMD_0603_RESC1608X55N 99.6,71.4 r270 top
R6 "SMD_0603_RESC1608X55N" SMD_0603_RESC1608X55N 97.3,52.7 r270 top
R7 "SMD_0603_RESC1608X55N" SMD_0603_RESC1608X55N 81,68.5 r90 top
R8 "SMD_0603_RESC1608X55N" SMD_0603_RESC1608X55N 81.8,70.8 r180 top
R9 "SMD_0603_RESC1608X55N" SMD_0603_RESC1608X55N 87.8,54.8 r270 top
R10 "SMD_0603_RESC1608X55N" SMD_0603_RESC1608X55N 97.9,69.7 r270 top
R11 "SMD_0603_RESC1608X55N" SMD_0603_RESC1608X55N 96.65,82.526 r270 top
R12 "SMD_1206_RESC3216X65N" SMD_1206_RESC3216X65N 88.7,103.9 r0 top
R13 "SMD_1206_RESC3216X65N" SMD_1206_RESC3216X65N 97.943,120.966 r0 top
R14 "SMD_1206_RESC3216X65N" SMD_1206_RESC3216X65N 97.3,94.1 r0 top
R15 "SMD_1206_RESC3216X65N" SMD_1206_RESC3216X65N 92.6,94.1 r180 top
R16 "SMD_0603_RESC1608X55N" SMD_0603_RESC1608X55N 83,91.3 r270 top
R17 "SMD_0603_RESC1608X55N" SMD_0603_RESC1608X55N 81.4,91.3 r90 top
R18 "SMD_0603_RESC1608X55N" SMD_0603_RESC1608X55N 82.6,68.5 r90 top
R19 "SMD_0603_RESC1608X55N" SMD_0603_RESC1608X55N 25.8,112.1 r90 top
R20 "SMD_0603_RESC1608X55N" SMD_0603_RESC1608X55N 42.8,110.1 r90 top
R21 "SMD_0603_RESC1608X55N" SMD_0603_RESC1608X55N 90.2,55.5 r180 top
R22 "SMD_0603_RESC1608X55N" SMD_0603_RESC1608X55N 39.6,110.1 r90 top
R23 "SMD_0603_RESC1608X55N" SMD_0603_RESC1608X55N 40.6,-64.8 r90 top
R24 "SMD_0603_RESC1608X55N" SMD_0603_RESC1608X55N 13.3,91.4 r180 top
R25 "SMD_0603_RESC1608X55N" SMD_0603_RESC1608X55N 12,77.7 r90 top
R26 "SMD_0603_RESC1608X55N" SMD_0603_RESC1608X55N 108.3,70 r180 top
R27 "SMD_0603_RESC1608X55N" SMD_0603_RESC1608X55N 59.4,95.2 r90 top
R28 "SMD_0603_RESC1608X55N" SMD_0603_RESC1608X55N 30.9,111.3 r180 top
R29 "SMD_0603_RESC1608X55N" SMD_0603_RESC1608X55N 12,82.2 r270 top
R30 "SMD_0603_RESC1608X55N" SMD_0603_RESC1608X55N 41.4,63.9 r0 top
R31 "SMD_0603_RESC1608X55N" SMD_0603_RESC1608X55N 60.4,-79.7 r90 top
R32 "SMD_0603_RESC1608X55N" SMD_0603_RESC1608X55N 31.9,-63.6 r180 top
R33 "SMD_0603_RESC1608X55N" SMD_0603_RESC1608X55N 13,-92.7 r270 top
R34 "SMD_0603_RESC1608X55N" SMD_0603_RESC1608X55N 42.4,-111 r0 top
R35 "SMD_0603_RESC1608X55N" SMD_0603_RESC1608X55N 31.8,65.3 r270 top
R36 "SMD_0603_RESC1608X55N" SMD_0603_RESC1608X55N 45.6,63.9 r180 top
R37 "SMD_0603_RESC1608X55N" SMD_0603_RESC1608X55N 58.2,83.7 r0 top
R38 "SMD_0603_RESC1608X55N" SMD_0603_RESC1608X55N 28.6,65.3 r270 top
R39 "SMD_0603_RESC1608X55N" SMD_0603_RESC1608X55N 13.3,94.6 r180 top
R40 "SMD_0603_RESC1608X55N" SMD_0603_RESC1608X55N 58.2,80.5 r0 top
R41 "SMD_0603_RESC1608X55N" SMD_0603_RESC1608X55N 26.8,-62.8 r90 top
R42 "SMD_0603_RESC1608X55N" SMD_0603_RESC1608X55N 14.3,-83.5 r180 top
R43 "SMD_0603_RESC1608X55N" SMD_0603_RESC1608X55N 13,-97.2 r90 top
R44 "SMD_0603_RESC1608X55N" SMD_0603_RESC1608X55N 32.8,-109.6 r270 top
R45 "SMD_0603_RESC1608X55N" SMD_0603_RESC1608X55N 46.6,-111 r180 top
R46 "SMD_0603_RESC1608X55N" SMD_0603_RESC1608X55N 59.2,-91.2 r0 top
R47 "SMD_0603_RESC1608X55N" SMD_0603_RESC1608X55N 29.6,-109.6 r270 top
R48 "SMD_0603_RESC1608X55N" SMD_0603_RESC1608X55N 14.3,-80.3 r180 top
R49 "SMD_0603_RESC1608X55N" SMD_0603_RESC1608X55N 59.2,-94.4 r0 top
R50 "SMD_0603_RESC1608X55N" SMD_0603_RESC1608X55N 72.2,105.4 r90 top
R51 "SMD_0603_RESC1608X55N" SMD_0603_RESC1608X55N 60.9,106.8 r270 top
R52 "SMD_0603_RESC1608X55N" SMD_0603_RESC1608X55N 19.4,112.8 r0 top
R53 "SMD_0603_RESC1608X55N" SMD_0603_RESC1608X55N 10.5,70.5 r90 top
R54 "SMD_0603_RESC1608X55N" SMD_0603_RESC1608X55N 52.6,62.5 r180 top
R55 "SMD_0603_RESC1608X55N" SMD_0603_RESC1608X55N 61.9,-68.1 r270 top
R56 "SMD_0603_RESC1608X55N" SMD_0603_RESC1608X55N 73.2,-69.5 r90 top
R57 "SMD_0603_RESC1608X55N" SMD_0603_RESC1608X55N 20.4,-62.1 r0 top
R58 "SMD_0603_RESC1608X55N" SMD_0603_RESC1608X55N 11.5,-104.4 r90 top
R59 "SMD_0603_RESC1608X55N" SMD_0603_RESC1608X55N 53.6,-112.4 r180 top
TP2 "SMD_TP_100-254" SMD_TP_100-254 81.3,99.1 r180 top
TP3 "SMD_TP_100-254" SMD_TP_100-254 91.4,53.3 r0 top
TP5 "SMD_TP_100-254" SMD_TP_100-254 92.6,55.6 r0 top
TP6 "SMD_TP_100-254" SMD_TP_100-254 93.9,53.3 r0 top
TP7 "SMD_TP_100-254" SMD_TP_100-254 95.1,55.6 r0 top
TP10 "SMD_TP_100-254" SMD_TP_100-254 99.6,63.1 r0 top
TP11 "SMD_TP_100-254" SMD_TP_100-254 99.6,65.6 r0 top
TP12 "SMD_TP_100-254" SMD_TP_100-254 86.3,74.6 r180 top
TP13 "SMD_TP_100-254" SMD_TP_100-254 86.3,77.1 r180 top
TP21 "SMD_TP_100-254" SMD_TP_100-254 96.4,72.3 r180 top
TP22 "SMD_TP_100-254" SMD_TP_100-254 50,109.4 r180 top
TP23 "SMD_TP_100-254" SMD_TP_100-254 13.6,99.7 r180 top
TP24 "SMD_TP_100-254" SMD_TP_100-254 23.7,65.6 r180 top
TP25 "SMD_TP_100-254" SMD_TP_100-254 57.7,75.7 r180 top
TP26 "SMD_TP_100-254" SMD_TP_100-254 47.5,109.4 r180 top
TP27 "SMD_TP_100-254" SMD_TP_100-254 13.6,96.7 r180 top
TP28 "SMD_TP_100-254" SMD_TP_100-254 26.6,65.6 r180 top
TP29 "SMD_TP_100-254" SMD_TP_100-254 57.7,78.4 r180 top
TP30 "SMD_TP_100-254" SMD_TP_100-254 51,-65.5 r180 top
TP31 "SMD_TP_100-254" SMD_TP_100-254 14.6,-75.2 r180 top
TP32 "SMD_TP_100-254" SMD_TP_100-254 24.7,-109.3 r180 top
TP33 "SMD_TP_100-254" SMD_TP_100-254 58.7,-99.2 r180 top
TP34 "SMD_TP_100-254" SMD_TP_100-254 48.5,-65.5 r180 top
TP35 "SMD_TP_100-254" SMD_TP_100-254 14.6,-78.2 r180 top
TP36 "SMD_TP_100-254" SMD_TP_100-254 27.6,-109.3 r180 top
TP37 "SMD_TP_100-254" SMD_TP_100-254 58.7,-96.5 r180 top
TP38 "SMD_TP_100-254" SMD_TP_100-254 57.7,104.1 r180 top
TP39 "SMD_TP_100-254" SMD_TP_100-254 22.1,109.6 r180 top
TP40 "SMD_TP_100-254" SMD_TP_100-254 13.6,73.1 r180 top
TP41 "SMD_TP_100-254" SMD_TP_100-254 50.1,65.6 r180 top
TP42 "SMD_TP_100-254" SMD_TP_100-254 57.7,99.1 r180 top
TP43 "SMD_TP_100-254" SMD_TP_100-254 27.1,109.6 r180 top
TP44 "SMD_TP_100-254" SMD_TP_100-254 13.7,78.1 r180 top
TP45 "SMD_TP_100-254" SMD_TP_100-254 45.141,65.604 r180 top
TP46 "SMD_TP_100-254" SMD_TP_100-254 57.7,101.6 r180 top
TP47 "SMD_TP_100-254" SMD_TP_100-254 24.6,109.6 r180 top
TP48 "SMD_TP_100-254" SMD_TP_100-254 13.7,75.6 r180 top
TP49 "SMD_TP_100-254" SMD_TP_100-254 47.641,65.604 r180 top
TP50 "SMD_TP_100-254" SMD_TP_100-254 57.7,94.1 r180 top
TP51 "SMD_TP_100-254" SMD_TP_100-254 32.1,109.5 r180 top
TP52 "SMD_TP_100-254" SMD_TP_100-254 13.7,83.3 r180 top
TP53 "SMD_TP_100-254" SMD_TP_100-254 40.1,65.6 r180 top
TP54 "SMD_TP_100-254" SMD_TP_100-254 58.7,-70.8 r180 top
TP55 "SMD_TP_100-254" SMD_TP_100-254 23.1,-65.3 r180 top
TP56 "SMD_TP_100-254" SMD_TP_100-254 14.6,-101.8 r180 top
TP57 "SMD_TP_100-254" SMD_TP_100-254 51.1,-109.3 r180 top
TP58 "SMD_TP_100-254" SMD_TP_100-254 58.7,-75.8 r180 top
TP59 "SMD_TP_100-254" SMD_TP_100-254 28.1,-65.3 r180 top
TP60 "SMD_TP_100-254" SMD_TP_100-254 14.7,-96.8 r180 top
TP61 "SMD_TP_100-254" SMD_TP_100-254 46.141,-109.296 r180 top
TP62 "SMD_TP_100-254" SMD_TP_100-254 58.7,-73.3 r180 top
TP63 "SMD_TP_100-254" SMD_TP_100-254 25.6,-65.3 r180 top
TP64 "SMD_TP_100-254" SMD_TP_100-254 14.7,-99.3 r180 top
TP65 "SMD_TP_100-254" SMD_TP_100-254 48.641,-109.296 r180 top
TP66 "SMD_TP_100-254" SMD_TP_100-254 58.7,-80.8 r180 top
TP67 "SMD_TP_100-254" SMD_TP_100-254 33.1,-65.4 r180 top
TP68 "SMD_TP_100-254" SMD_TP_100-254 14.7,-91.6 r180 top
TP69 "SMD_TP_100-254" SMD_TP_100-254 41.1,-109.3 r180 top
TP70 "SMD_TP_100-254" SMD_TP_100-254 57.7,106.6 r180 top
TP71 "SMD_TP_100-254" SMD_TP_100-254 52.6,65.6 r180 top
TP72 "SMD_TP_100-254" SMD_TP_100-254 19.5,109.6 r180 top
TP73 "SMD_TP_100-254" SMD_TP_100-254 13.559,70.596 r180 top
TP74 "SMD_TP_100-254" SMD_TP_100-254 58.7,-68.3 r180 top
TP75 "SMD_TP_100-254" SMD_TP_100-254 53.6,-109.3 r180 top
TP76 "SMD_TP_100-254" SMD_TP_100-254 20.5,-65.3 r180 top
TP77 "SMD_TP_100-254" SMD_TP_100-254 14.559,-104.304 r180 top
TP78 "SMD_TP_100-254" SMD_TP_100-254 57.7,96.6 r180 top
TP79 "SMD_TP_100-254" SMD_TP_100-254 29.6,109.5 r180 top
TP80 "SMD_TP_100-254" SMD_TP_100-254 13.7,80.8 r180 top
TP81 "SMD_TP_100-254" SMD_TP_100-254 42.6,65.6 r180 top
TP82 "SMD_TP_100-254" SMD_TP_100-254 58.7,-78.3 r180 top
TP83 "SMD_TP_100-254" SMD_TP_100-254 30.6,-65.4 r180 top
TP84 "SMD_TP_100-254" SMD_TP_100-254 14.7,-94.1 r180 top
TP85 "SMD_TP_100-254" SMD_TP_100-254 43.6,-109.3 r180 top
U1 "SMD_BGA1296C100P36X36" SMD_BGA1296C100P36X36 35.7,87.7 r180 top
U2 "SMD_BGA1296C100P36X36" SMD_BGA1296C100P36X36 36.7,-87.2 r180 top
U3 "SMD_QFP50P1200X1200X120-64N" SMD_QFP50P1200X1200X120-64N 90.3,64.5 r90 top
U4 "SMD_SOIC127P600X175-8N" SMD_SOIC127P600X175-8N 90.6,110.6 r90 top
U5 "SMD_SOT95P280X135-5N" SMD_SOT95P280X135-5N 96.295,101.987 r270 top
U6 "SMD_SOIC127P620X160-8N" SMD_SOIC127P620X160-8N 96.295,101.987 r180 top
U7 "SMD_TO254P1542X460-3_4N" SMD_TO254P1542X460-3_4N 93.5,110.6 r0 top
U8 "SMD_TO229P991X239-4N_DPAK" SMD_TO229P991X239-4N_DPAK 91.6,110.6 r0 top
U9 "SMD_SOIC127P620X160-8N" SMD_SOIC127P620X160-8N 87.8,90 r0 top
U10 "SMD_SOT95P280X110-5N" SMD_SOT95P280X110-5N 58.3,109.7 r270 top
U11 "SMD_SON45P300X200X80-9N" SMD_SON45P300X200X80-9N -2.9,18.7 r180 top
U12 "SMD_SON45P300X200X80-9N" SMD_SON45P300X200X80-9N 51.5,18.7 r180 top
U13 "SMD_SON45P300X200X80-9N" SMD_SON45P300X200X80-9N 2.9,-18.7 r0 top
U14 "SMD_SON45P300X200X80-9N" SMD_SON45P300X200X80-9N 57.3,-18.7 r0 top
U15 "SMD_SON45P300X200X80-9N" SMD_SON45P300X200X80-9N 10.7,18.7 r180 top
U16 "SMD_SON45P300X200X80-9N" SMD_SON45P300X200X80-9N 65.1,18.7 r180 top
U17 "SMD_SON45P300X200X80-9N" SMD_SON45P300X200X80-9N 16.5,-18.7 r0 top
U18 "SMD_SON45P300X200X80-9N" SMD_SON45P300X200X80-9N 70.9,-18.7 r0 top
U19 "SMD_SON45P300X200X80-9N" SMD_SON45P300X200X80-9N 24.3,18.7 r180 top
U20 "SMD_SON45P300X200X80-9N" SMD_SON45P300X200X80-9N 78.7,18.7 r180 top
U21 "SMD_SON45P300X200X80-9N" SMD_SON45P300X200X80-9N 30.1,-18.7 r0 top
U22 "SMD_SON45P300X200X80-9N" SMD_SON45P300X200X80-9N 84.5,-18.7 r0 top
U23 "SMD_SON45P300X200X80-9N" SMD_SON45P300X200X80-9N 37.9,18.7 r180 top
U24 "SMD_SON45P300X200X80-9N" SMD_SON45P300X200X80-9N 92.3,18.7 r180 top
U25 "SMD_SON45P300X200X80-9N" SMD_SON45P300X200X80-9N 43.7,-18.7 r0 top
U26 "SMD_SON45P300X200X80-9N" SMD_SON45P300X200X80-9N 98.1,-18.7 r0 top
U27 "SMD_SOT95P280X110-5N" SMD_SOT95P280X110-5N 15.5,110.3 r0 top
U28 "SMD_SOT95P280X110-5N" SMD_SOT95P280X110-5N 13.1,66.8 r90 top
U29 "SMD_SOT95P280X110-5N" SMD_SOT95P280X110-5N 56.4,65.1 r180 top
U30 "SMD_SOT95P280X110-5N" SMD_SOT95P280X110-5N 59.3,-65.2 r270 top
U31 "SMD_SOT95P280X110-5N" SMD_SOT95P280X110-5N 16.5,-64.6 r0 top
U32 "SMD_SOT95P280X110-5N" SMD_SOT95P280X110-5N 14.1,-108.1 r90 top
U33 "SMD_SOT95P280X110-5N" SMD_SOT95P280X110-5N 57.4,-109.8 r180 top
Y1 "SMD_HC49_XTAL1140X480X420N" SMD_HC49_XTAL1140X480X420N 94.7,76.7 r180 top
Y2 "SMD_OSCCC500X700X100-4N" SMD_OSCCC500X700X100-4N 66.5,107 r180 top
Y3 "SMD_OSCCC500X700X100-4N" SMD_OSCCC500X700X100-4N 67.5,-67.9 r180 top

## Footprints (in the part's own frame and the unit in brackets; to place one, negate y for a bottom-side part, rotate by r counter-clockwise, add the part's x,y. Pads: shape width x height; smd on the part's side, far side on the other; paste and mask are expansions set on the pad)
AH2-120 [mm]
  round 3 / inner round 1.8 / far side round 1.8 hole 3 mask+0.075: 1(29.5,29.5) 2(-29.5,-29.5) 3(29.5,-29.5) 4(-29.5,29.5)
PTH_CON_HD-351-3P [mm]
  round 1.9 hole 1.2 mask+0.075: 1(-3.5,0) 2(0,0) 3(3.5,0)
  silkscreen extent -5.3,0.95 5.3,3.8, body extent -5.25,-3.75 5.25,3.75, height 8.7
PTH_CON_WR-MRC4-6P_S [mm]
  round 2.5 hole 1.8 mask+0.075: 1(-4.2,2.75) 2(0,2.75) 3(4.2,2.75) 4(-4.2,-2.75) 5(0,-2.75) 6(4.2,-2.75)
  silkscreen extent -7.1,-1.5 7.1,4.85, body extent -7.25,-6.3 6.95,4.8, height 12.8
PTH_HDRV05W64P254_1X05 [mm]
  round 1.85 hole 1.15 mask+0.075: 1(-5.08,0) 2(-2.54,0) 3(0,0) 4(2.54,0) 5(5.08,0)
  silkscreen extent -6.35,-1.25 6.35,1.25, body extent -6.35,-1.25 6.35,1.25, height 8
SMD_0402_CAPC1005X55N [mm]
  rrect48% 0.62x0.62 smd mask+0.075: 1(-0.45,0) 2(0.45,0)
  body extent -0.5,-0.25 0.5,0.25, height 0.55
SMD_0603_CAPC1608X95N [mm]
  rrect42% 0.95x1 smd mask+0.075: 1(-0.8,0) 2(0.8,0)
  body extent -0.8,-0.4 0.8,0.4, height 0.95
SMD_0603_RESC1608X55N [mm]
  rrect44% 0.9x1 smd mask+0.075: 1(-0.8,0) 2(0.8,0)
  body extent -0.8,-0.4 0.8,0.4, height 0.55
SMD_0805_CAPC2012X145N [mm]
  rrect35% 1.15x1.45 smd mask+0.075: 1(-0.9,0) 2(0.9,0)
  body extent -1,-0.6 1,0.6, height 1.45
SMD_0805_INDC2012X105N [mm]
  rrect35% 1.15x1.45 smd mask+0.075: 1(-0.9,0) 2(0.9,0)
  body extent -1,-0.62 1,0.63, height 1.05
SMD_0805_LED2012X100N [mm]
  rrect33% 1.2x1.2 smd mask+0.075: 1(-1.05,0) 2(1.05,0)
  body extent -1,-0.62 1,0.63, height 0.98
SMD_1206_RESC3216X65N [mm]
  rrect38% 1.05x1.75 smd mask+0.075: 1(-1.5,0) 2(1.5,0)
  silkscreen extent -0.65,-0.85 0.65,0.85, body extent -1.6,-0.8 1.6,0.8, height 0.65
SMD_1210_CAPC3225X270N [mm]
  rrect35% 1.15x2.7 smd mask+0.075: 1(-1.5,0) 2(1.5,0)
  silkscreen extent -0.6,-1.35 0.6,1.35, body extent -1.6,-1.25 1.6,1.25, height 2.7
SMD_1210_CAPC3225X279N [mm]
  rrect35% 1.15x2.7 smd mask+0.075: 1(-1.5,0) 2(1.5,0)
  silkscreen extent -0.6,-1.35 0.6,1.35, body extent -1.6,-1.25 1.6,1.25, height 2.79